# Altium PCB MB1272C.PcbDoc (part 2 of 10)
Units mm, origin at the board's own origin, x right, y up, seen from the top; angles counter-clockwise.
Board outline 101 x 71 mm, 6 copper layers (Top Layer, Signal Layer 1, Signal Layer 2, Signal Layer 3, Signal Layer 4, Bottom Layer), stack 1.552 mm thick; 520 components, 478 nets, 2156 pads, 1894 vias.
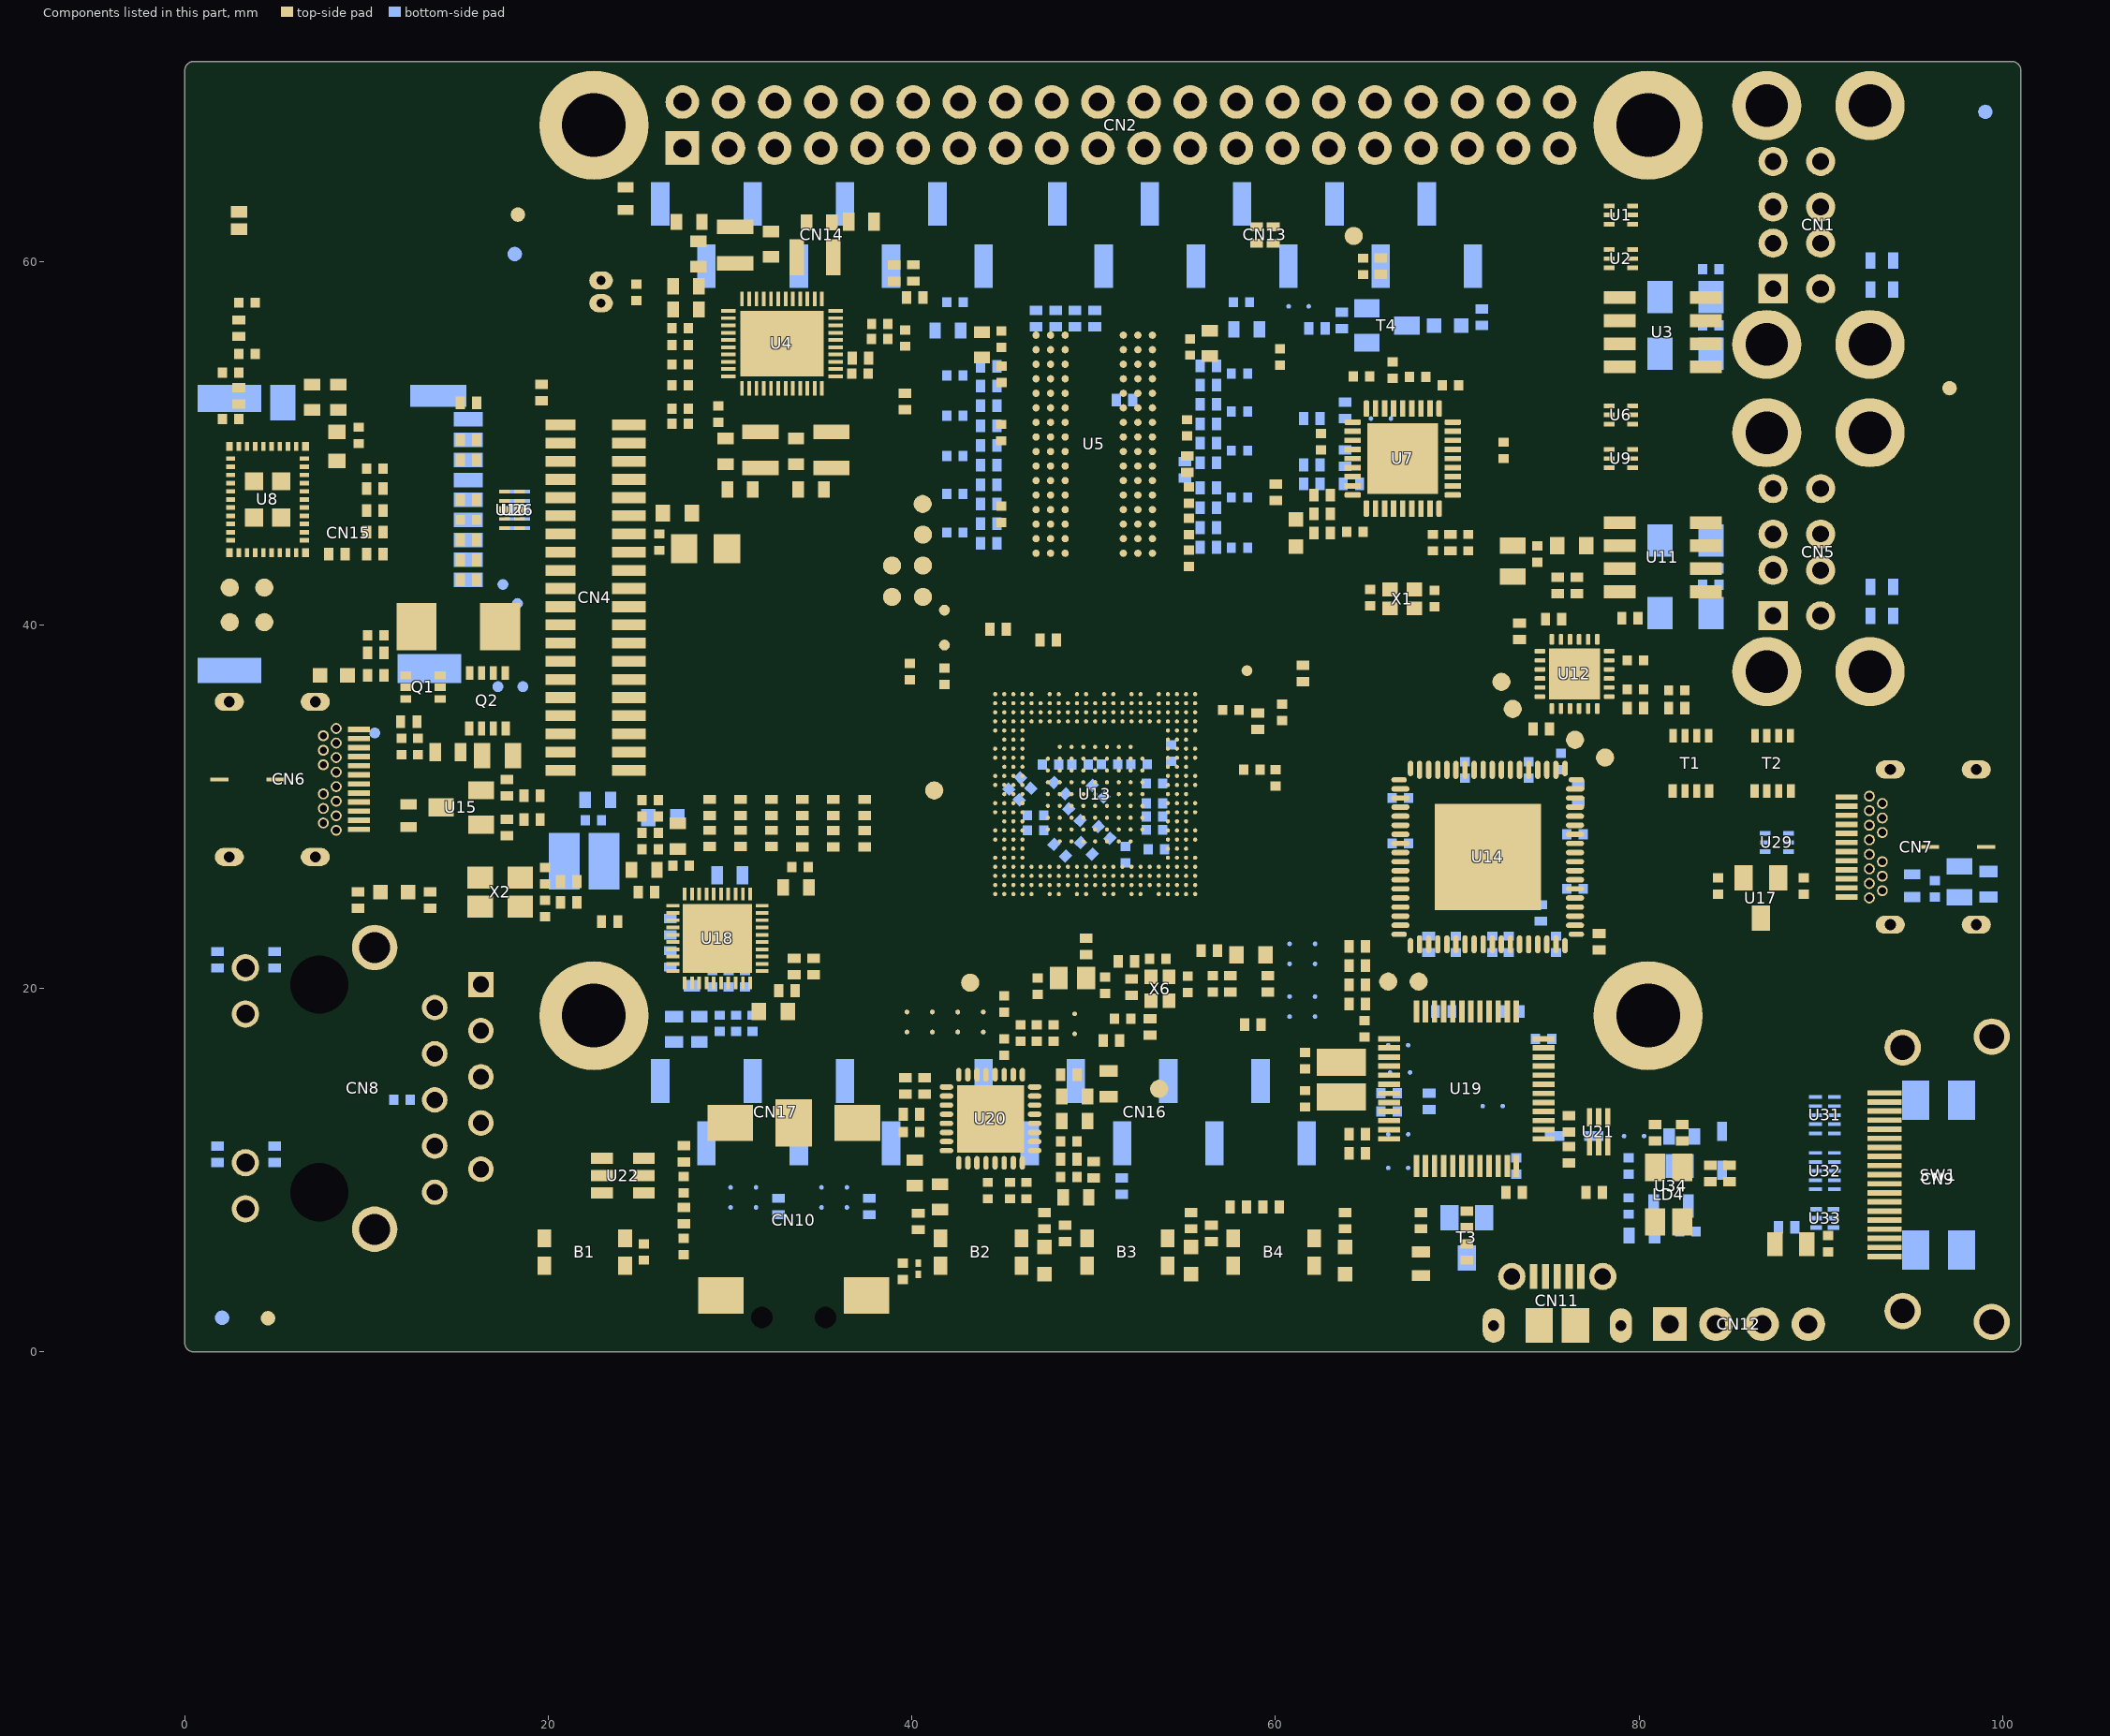
[diagram p6: the components of this part, seen from the top]

## Components (designator, comment, footprint, x,y, rotation, side; value= is the part's Value field where it differs from the comment) (continued)
TP20 "Test Point" TP_SMD_1MM 66.2,20.375 r90 top
TP21 "Test Point" TP_SMD_1MM 67.875,20.375 r90 top
TP22 "Test Point" TP_SMD_1MM 43.205,20.315 r270 top
TP23 "Test Point" TP_SMD_1MM 53.6,14.475 r90 top
TP24 "Test Point" TP_SMD_0-6MM 17.5,42.225 r0 bottom
TP25 "Test Point" TP_SMD_0-6MM 18.3,41.175 r0 bottom
TP26 "Test Point" TP_SMD_0-6MM 17.3,39.525 r90 bottom
TP27 "Test Point" TP_SMD_0-6MM 18.6,36.6 r0 bottom
TP28 "Test Point" TP_SMD_0-6MM 17.225,36.6 r0 bottom
TP29 "Test Point" TP_SMD_0-6MM 10.45,34.05 r0 bottom
U1 "​" ESD_QFN-6L_1P7X1P5_P050 79,62.55 r270 top value=ECMF02-2AMX6
U2 "​" ESD_QFN-6L_1P7X1P5_P050 79,60.15 r270 top value=ECMF02-2AMX6
U3 "STMPS2252MTR" ICC_SO8_5X4_P127 81.3,56.1 r270 top
U4 "STPMU1A" ICC_WFQFN44-EPAD_5X6_P040 32.85,55.475 r270 top
U5 "MT41K256M16TW-107:P - V00H" ICC_FBGA96_8X14_P080 50.03,49.94 r0 top locked value=MT41K256M16TW-107-P-V00H
U6 "​" ESD_QFN-6L_1P7X1P5_P050 79,51.55 r270 top value=ECMF02-2AMX6
U7 "USB2514B-AEZC" ICC_QFN36-EPAD_6X6_P050 67,49.15 r90 top
U8 "LBEE5KL1DX-883" MOD_WLAN-BT_MURATA_LBEE5KL1DX-883 4.55,46.9 r270 top locked
U9 "​" ESD_QFN-6L_1P7X1P5_P050 79,49.15 r270 top value=ECMF02-2AMX6
U10 "HSP051-4M10" ESD_UQFN-10L_2P5X1_P050 18,46.325 r90 top
U11 "STMPS2252MTR" ICC_SO8_5X4_P127 81.3,43.725 r270 top
U12 "​Symbol correction needed ?" ICC_QFN24-EPAD_4X4_P050 76.45,37.3 r270 top value=STUSB1600
U13 "STM32MP157CAC3" ICC_TFBGA361_12X12_STM32MP157CAC3_P050-065 50.08,30.69 r90 top locked
U14 "" ICC_QFN72-EPAD_10X10_P050 71.675,27.225 r270 top locked value=SiI9022ACNU
U15 "New schematic symbol : correction 2 diodes instead of one" ESD_SOT23 15.2,29.95 r90 top value=ESDA25L
U16 "​Footprint needed DFN105P160X60-2N" ESD_QFN1610_2N_1K_2A 12.3,29.5 r270 top value=ESDA7P120-1U1M
U17 "New schematic symbol : correction 2 diodes instead of one" ESD_SOT23 86.7,24.975 r180 top value=ESDA25L
U18 "RTL8211F-CG" ICC_QFN40-EPAD_5X5_P040 29.3,22.75 r90 top locked
U19 "" ICC_LQFP48_7X7_P050 70.5,14.475 r270 top locked value=STM32F103CBT6
U20 "" ICC_QFN32-EPAD_5X5_P050 44.325,12.825 r270 top value=CS42L51-CNZ
U21 "" ESD_SOT666 77.775,12.1 r0 top value=USBLC6-2P6
U22 "" ESD_SOT23-6L 24.1,9.7 r90 top value=ESDA6V1BC6
U23 "​Footprint needed DFN105P160X60-2N" ESD_QFN1610_2N_1K_2A 24.25,63.45 r270 top value=ESDA7P120-1U1M
U24 "​Footprint needed DFN105P160X60-2N" ESD_QFN1610_2N_1K_2A 93.35,60.05 r0 bottom value=ESDA7P120-1U1M
U25 "​Footprint needed DFN105P160X60-2N" ESD_QFN1610_2N_1K_2A 93.35,58.45 r0 bottom value=ESDA7P120-1U1M
U26 "HSP051-4M10" ESD_UQFN-10L_2P5X1_P050 18.3,46.325 r90 bottom
U27 "​Footprint needed DFN105P160X60-2N" ESD_QFN1610_2N_1K_2A 93.35,42.1 r0 bottom value=ESDA7P120-1U1M
U28 "​Footprint needed DFN105P160X60-2N" ESD_QFN1610_2N_1K_2A 93.35,40.5 r0 bottom value=ESDA7P120-1U1M
U29 "​" ESD_QFN-6L_1P7X1P5_P050 87.575,28.025 r90 bottom value=ECMF02-2AMX6
U30 "​Footprint needed DFN105P160X60-2N" ESD_QFN1610_2N_1K_2A 95.025,25.65 r90 bottom value=ESDA7P120-1U1M
U31 "" ESD_UQFN-10L_2P60X1P35_P050 90.225,13.025 r270 bottom value=ECMF04-4HSWM10
U32 "" ESD_UQFN-10L_2P60X1P35_P050 90.225,9.95 r270 bottom value=ECMF04-4HSWM10
U33 "ESDALC6V1-5M6" ESD_UQFN-6L_1P45X1_P050 90.225,7.35 r270 bottom
U34 "" REG_SOT23-5L 81.75,9.125 r0 bottom value=LD3985M33R
U35 "ESD-TRANSIL" ESD_ST0201 40.35,4.575 r270 top value=ESDALC6V1-1U2
X1 "XTAL_4_PINS" CRY_NX2016SA_4P 66.975,41.425 r180 top value="NX2016SA 24MHz"
X2 "XTAL_4_PINS" CRY_NX3225HA_4P 17.35,25.3 r180 top value="NX3225GA 25MHz"
X4 "XTAL_2_PINS" CRY_NX2012SA_2P 48.825,20.575 r180 top value="NX2012SA 32.768KHz"
X5 "" CRY_NX3225GD_2P 63.625,14.975 r90 top value="NX3225GD 8MHz"
X6 "OSCILLATOR_4_PINS" CRY_NZ2016SH_4P 53.65,19.975 r90 top value="NZ2016SH 24MHz"

## Footprints (in the part's own frame and the unit in brackets; to place one, negate y for a bottom-side part, rotate by r counter-clockwise, add the part's x,y. Pads: shape width x height; smd on the part's side, far side on the other; paste and mask are expansions set on the pad)
C0402 [mm]
  rect 0.51x0.56 smd mask+0.05: 1(-0.45,0) 2(0.45,0)
  silkscreen extent 0,-0.3 0,0.3, body extent -0.5,-0.3 0.5,0.3, height 0.4
C0603 [mm]
  rect 0.64x0.89 smd mask+0.05: 1(-0.7,0) 2(0.7,0)
  silkscreen extent -1.05,-0.55 1.02,0.55, body extent -0.9,-0.5 0.9,0.5, height 1.4
C0805 [mm]
  rect 0.9x1.4 smd mask+0.05: 1(-0.85,0) 2(0.85,0)
  silkscreen extent -1.3,-0.77 1.3,0.77, body extent -1.1,-0.7 1.1,0.7, height 1.35
C1206_H1P6 [mm]
  rect 1.4x1.78 smd mask+0.05: 1(-1.4,0) 2(1.4,0)
  silkscreen extent -2.12,-0.97 2.15,0.97, body extent -1.7,-0.9 1.7,0.9, height 1.8
CON_DUAL-USB-TYPE-A_CONEXCON_5600-3081 [mm]
  round 1.6 hole 0.92: B1(-3.5,13.01) B2(-1,13.01) B3(1,13.01) B4(3.5,13.01) T2(-1,15.63) T3(1,15.63) T4(3.5,15.63)
  round 3.8 hole 2.33: CH1(6.57,10.3) CH2(-6.57,10.3) CH3(-6.57,15.98) CH4(6.57,15.98)
  rect 1.6x1.6 hole 0.92: T1(-3.5,15.63)
  silkscreen extent -7.3,-0.4 7.3,17.85, body extent -7.83,-0.6 7.87,17.85, height 16.2
CON_HDMI_FCI-AMPHENOL_10029449-001RLF [mm]
  rect 0.3x1.9 smd mask+0.05: 1(4.75,8.5) 2(4.25,8.5) 3(3.75,8.5) 4(3.25,8.5) 5(2.75,8.5) 6(2.25,8.5) 7(1.75,8.5) 8(1.25,8.5) 9(0.75,8.5) 10(0.25,8.5) 11(-0.25,8.5) 12(-0.75,8.5) 13(-1.25,8.5) 14(-1.75,8.5) 15(-2.25,8.5) 16(-2.75,8.5) 17(-3.25,8.5) 18(-3.75,8.5) 19(-4.25,8.5)
  round 2 hole 1.35 mask+0.1: 20(7.25,7.5) 21(-7.25,7.5) 22(7.85,2.6) 23(-7.85,2.6)
  silkscreen extent -7.5,-1 7.5,8, body extent -8.1,-1 8.1,8.9, height 6.3
CON_JACK-3P5-SMT_LUMBERG_1503-13-VP3 [mm]
  rect 2.6x2 smd mask+0.05: 1(15.2,0)
  rect 2x2.5 smd mask+0.05: 2(15.2,3.5) 3(15.2,-3.5) 4(5.7,-4) 4(5.7,4)
  round 0.5 hole 1.2 unplated mask+0.1: NPTH1(4.5,-1.75) NPTH2(4.5,1.75)
  silkscreen extent 0,-3.55 14.6,3.55, body extent 0,-4.55 15.8,4.55, height 6.1
CON_MICROSD_YAMAICHI_PJS008-2003-0 [mm] "WITHOUT POSITIONNING PINS"
  rect 1.6x0.8 smd paste+0 mask+0.05: 1(-15.6,-2.525) 2(-15.6,-1.425) 3(-15.6,-0.325) 4(-15.6,0.775) 5(-15.6,1.875) 6(-15.6,2.975) 7(-15.6,4.075) 8(-15.6,5.175) 9(-15.6,6.325)
  rect 1.4x1.95 smd paste+0 mask+0.05: 10(-5.4,7.225)
  rect 3.5x1.5 smd paste+0 mask+0.05: 11(-2.45,7.45)
  rect 3.5x1.4 smd paste+0 mask+0.05: 12(-2.45,-7.5)
  rect 3.5x1.6 smd paste+0 mask+0.05: 13(-13.45,-7.4)
  rect 3.1x1.2 smd paste+0 mask+0.05: 14(-13.95,7.6)
  silkscreen extent -15.32,-7.25 5.65,7.25, body extent -15.25,-7.25 -0.45,7.42, height 2
CON_MOLEX_53047-0210 [mm]
  oval 1x1.3 hole 0.5 mask+0.05: 1(-0.625,0) 2(0.625,0)
  silkscreen extent -2.12,-1.15 2.13,2.05, body extent -2.13,-1.15 2.13,2.05, height 4.2
CON_RJ45_YD_48F-01GYDXNL_LED-P [mm]
  rect 1.4x1.4 hole 0.9 mask+0.05: 1(-5.715,16.29)
  round 1.4 hole 0.9 mask+0.05: 2(-4.445,13.75) 3(-3.175,16.29) 4(-1.905,13.75) 5(-0.635,16.29) 6(0.635,13.75) 7(1.905,16.29) 8(3.175,13.75) 9(4.445,16.29) 10(5.715,13.75)
  round 1.5 hole 1 mask+0.05: 11(-6.63,3.34) 12(-4.09,3.34) 13(4.09,3.34) 14(6.63,3.34)
  round 2.5 hole 1.7 mask+0.05: 15(7.75,10.45) 16(-7.75,10.45)
  round 1 hole 3.2 unplated mask+0.1: 17(-5.715,7.4) 18(5.715,7.4)
  Multi-Layer keep-out circle w0.01: c5.715,7.4 r1.9
  Multi-Layer keep-out circle w0.01: c-5.715,7.4 r1.9
  silkscreen extent -11.26,-3.5 11.26,18.34, body extent -11.4,-3.5 11.39,18.34, height 17
CON_SAMTEC_SSW-106-22-X-S-VS [mil]
  rect 40x95 smd mask+1.97: 1(250,67.5) 2(150,-67.5) 3(50,67.5) 4(-50,-67.5) 5(-150,67.5) 6(-250,-67.5)
  silkscreen extent -310,-48 310,48, body extent -310,-101 310,102, height 385
CON_SAMTEC_SSW-108-22-X-S-VS [mil]
  rect 40x95 smd mask+1.97: 1(350,67.5) 2(250,-67.5) 3(150,67.5) 4(50,-67.5) 5(-50,67.5) 6(-150,-67.5) 7(-250,67.48) 8(-350,-67.48)
  silkscreen extent -410,-48 410,48, body extent -410,-101 410,102, height 385
CON_SAMTEC_SSW-110-22-X-S-VS [mil]
  rect 40x95 smd mask+1.97: 1(450,67.5) 2(350,-67.5) 3(250,67.5) 4(150,-67.5) 5(50,67.5) 6(-50,-67.5) 7(-150,67.48) 8(-250,-67.48) 9(-350,67.48) 10(-450,-67.48)
  silkscreen extent -510,-48 510,48, body extent -510,-101 510,102, height 385
CON_SAMTEC_TSW-104-07-G-S [mm]
  rect 1.85x1.85 / inner round 1.85 / far side rect 1.85x1.85 hole 1 mask+0.05: 1(-3.81,0)
  round 1.85 hole 1 mask+0.05: 2(-1.27,0) 3(1.27,0) 4(3.81,0)
  silkscreen extent -5.12,-1.3 5.12,1.3, body extent -5.21,-1.37 5.18,1.37, height 8.38
CON_SAMTEC_TSW-120-07-G-D [mm]
  rect 1.85x1.85 / inner round 1.85 / far side rect 1.85x1.85 hole 1 mask+0.05: 1(-24.13,-1.27)
  round 1.85 hole 1 mask+0.05: 2(-24.13,1.27) 3(-21.59,-1.27) 4(-21.59,1.27) 5(-19.05,-1.27) 6(-19.05,1.27) 7(-16.51,-1.27) 8(-16.51,1.27) 9(-13.97,-1.27) 10(-13.97,1.27) 11(-11.43,-1.27) 12(-11.43,1.27) 13(-8.89,-1.27) 14(-8.89,1.27) 15(-6.35,-1.27) 16(-6.35,1.27) 17(-3.81,-1.27) 18(-3.81,1.27) 19(-1.27,-1.27) 20(-1.27,1.27) 21(1.27,-1.27) 22(1.27,1.27) 23(3.81,-1.27) 24(3.81,1.27) 25(6.35,-1.27) 26(6.35,1.27) 27(8.89,-1.27) 28(8.89,1.27) 29(11.43,-1.27) 30(11.43,1.27) 31(13.97,-1.27) 32(13.97,1.27) 33(16.51,-1.27) 34(16.51,1.27) 35(19.05,-1.27) 36(19.05,1.27) 37(21.59,-1.27) 38(21.59,1.27) 39(24.13,-1.27) 40(24.13,1.27)
  silkscreen extent -25.4,-2.54 25.4,2.54, body extent -25.4,-2.55 25.4,2.54, height 8.38
CON_TE-CONNECTIVITY_2-1734248-0 [mm]
  rect 0.6x1.65 smd mask+0.05: 1(9.5,-1.825) 2(8.5,-1.825) 3(7.5,-1.825) 4(6.5,-1.825) 5(5.5,-1.825) 6(4.5,-1.825) 7(3.5,-1.825) 8(2.5,-1.825) 9(1.5,-1.825) 10(0.5,-1.825) 11(-0.5,-1.825) 12(-1.5,-1.825) 13(-2.5,-1.825) 14(-3.5,-1.825) 15(-4.5,-1.825) 16(-5.5,-1.825) 17(-6.5,-1.825) 18(-7.5,-1.825) 19(-8.5,-1.825) 20(-9.5,-1.825)
  rect 0.6x1.85 smd mask+0.05: 1(9.5,1.925) 2(8.5,1.925) 3(7.5,1.925) 4(6.5,1.925) 5(5.5,1.925) 6(4.5,1.925) 7(3.5,1.925) 8(2.5,1.925) 9(1.5,1.925) 10(0.5,1.925) 11(-0.5,1.925) 12(-1.5,1.925) 13(-2.5,1.925) 14(-3.5,1.925) 15(-4.5,1.925) 16(-5.5,1.925) 17(-6.5,1.925) 18(-7.5,1.925) 19(-8.5,1.925) 20(-9.5,1.925)
  silkscreen extent -13.7,-2.8 13.7,1.9, body extent -13.7,-2.65 13.7,2.4, height 7.7
CON_USB-TYPEC_COXOC_317JD24BZTF3K3C3 [mm]
  rect 0.2x1 smd paste-10 mask+0: 0(0,6) 0(0,2.9)
  rect 0.3x1.2 smd mask+0.05: A1(-2.75,10.58) A2(-2.25,10.58) A3(-1.75,10.58) A4(-1.25,10.58) A5(-0.75,10.58) A6(-0.25,10.58) A7(0.25,10.58) A8(0.75,10.58) A9(1.25,10.58) A10(1.75,10.58) A11(2.25,10.58) A12(2.75,10.58)
  round 0.6 hole 0.4 mask+0.05: B1(2,9.33) B1(2.8,9.33) B2(2.4,8.62) B3(1.6,8.62) B4(1.2,9.33) B5(0.8,8.62) B6(0.4,9.33) B7(-0.4,9.33) B8(-0.8,8.62) B9(-1.2,9.33) B10(-1.6,8.62) B11(-2.4,8.62) B12(-2.8,9.33) B12(-2,9.33)
  oval 1x1.6 hole 0.6 slot 1.2 at 90 deg mask+0.05: SH1(-4.27,8.18) SH2(-4.27,3.45) SH3(4.27,8.18) SH4(4.27,3.45)
  silkscreen extent -4.38,-0.95 4.38,10.38, body extent -4.38,-0.95 4.38,10.84, height 3.03
CON_USBMICROB_MOLEX_105017-0001_H2P90 [mm]
  rect 0.4x1.35 smd mask+0.05: 1(-1.3,4.15) 2(-0.65,4.15) 3(0,4.15) 4(0.65,4.15) 5(1.3,4.15)
  round 1.5 hole 0.9 mask+0.05: 6(-2.5,4.15) 7(2.5,4.15)
  oval 1.2x1.9 hole 0.6 slot 1.3 at 90 deg mask+0.05: 8(3.5,1.45) 9(-3.5,1.45)
  rect 1.5x1.9 smd mask+0.05: 10(-1,1.45) 11(1,1.45)
  Top Layer region: -3.5,2.4 -2.3,2.4 -2.3,0.5 -3.5,0.5 -3.5,2.4
  Top Layer region: 2.3,2.4 3.5,2.4 3.5,0.5 2.3,0.5 2.3,2.4
  silkscreen extent -4,-0.7 4,4.6, body extent -4.1,-1.15 4.1,4.66, height 2.9
CPOL_TAJ-A_1206_H180 [mm]
  rect 1.45x1.6 smd mask+0.05: 1(-1.175,0) 2(1.175,0)
  silkscreen extent -2.15,-1.05 1.7,1.05, body extent -1.7,-0.9 1.7,0.9, height 1.8
CPOL_TAJ-C_2312_H2P6 [mm]
  rect 2.2x2.6 smd mask+0.05: 1(-2.3,0) 2(2.3,0)
  silkscreen extent -3.6,-1.85 3.1,1.85, body extent -3.1,-1.7 3.1,1.7, height 2.8
CRY_NX2012SA_2P [mm]
  rect 1x1.25 smd mask+0.05: 1(-0.75,0) 2(0.75,0)
  silkscreen extent -1.05,-0.75 1.05,0.75, body extent -1.05,-0.63 1.05,0.63, height 0.6
CRY_NX2016SA_4P [mm]
  rect 0.85x0.75 smd mask+0.05: 1(-0.675,-0.525) 2(0.675,-0.525) 3(0.675,0.525) 4(-0.675,0.525)
  silkscreen extent -1.22,-1.02 1.05,0.85, body extent -1.05,-0.85 1.05,0.85, height 0.7
CRY_NX3225GD_2P [mm]
  rect 1.5x2.7 smd mask+0.05: 1(-0.95,0) 2(0.95,0)
  silkscreen extent -0.1,-1.3 0.1,1.3, body extent -1.65,-1.3 1.65,1.3, height 1
CRY_NX3225HA_4P [mm]
  rect 1.4x1.2 smd mask+0.05: 1(-1.1,-0.8) 2(1.1,-0.8) 3(1.1,0.8) 4(-1.1,0.8)
  silkscreen extent -1.9,-1.5 1.65,1.3, body extent -1.66,-1.31 1.66,1.31, height 0.91
CRY_NZ2016SH_4P [mm] "MCD-01627"
  rect 0.8x0.7 smd mask+0.05: 1(-0.65,-0.5) 2(0.65,-0.5) 3(0.65,0.5) 4(-0.65,0.5)
  silkscreen extent -1.17,-0.97 1.05,0.85, body extent -1.05,-0.85 1.05,0.85, height 0.71
DIO_SOD323 [mm]
  rect 1.06x0.54 smd mask+0.05: 1(-1.07,0) 2(1.07,0)
  silkscreen extent -0.9,-0.72 0.9,0.72, body extent -1.3,-0.78 1.3,0.78, height 1.17
DIO_SOT363 [mm]
  rect 0.42x0.6 smd mask+0.05: 1(-0.65,-0.95) 2(0,-0.95) 3(0.65,-0.95) 4(0.65,0.95) 5(0,0.95) 6(-0.65,0.95)
  silkscreen extent -1.1,-0.67 1.1,0.67, body extent -1.1,-1.2 1.1,1.2, height 1.1
ESD_QFN1610_2N_1K_2A [mm] "DFN, 2-Leads, Body 1.60x1.00mm"
  rect 0.55x0.9 smd mask+0.05: 1(-0.625,0) 2(0.625,0)
  silkscreen extent -1.02,-0.58 0.85,0.58, body extent -0.85,-0.55 0.85,0.55, height 0.6
ESD_QFN-6L_1P7X1P5_P050 [mm]
  rect 0.25x0.6 smd mask+0.05: 1(-0.5,-0.65) 2(0,-0.65) 3(0.5,-0.65) 4(0.5,0.65) 5(0,0.65) 6(-0.5,0.65)
  silkscreen extent -0.9,-0.8 0.9,0.8, body extent -0.9,-0.8 0.9,0.8, height 0.56
ESD_SOT23 [mm]
  rect 1x1.4 smd mask+0.05: 1(-0.95,-1.1) 2(0.95,-1.1) 3(0,1.1)
  silkscreen extent -1.63,-0.82 1.63,0.82, body extent -1.56,-1.5 1.56,1.5, height 1.4
ESD_SOT23-6L [mm]
  rect 0.6x1.2 smd mask+0.05: 1(-0.95,-1.15) 2(0,-1.15) 3(0.95,-1.15) 4(0.95,1.15) 5(0,1.15) 6(-0.95,1.15)
  silkscreen extent -1.53,-0.87 1.53,0.87, body extent -1.52,-1.5 1.52,1.5, height 1.45
ESD_SOT666 [mm]
  rect 0.3x0.99 smd mask+0.05: 1(-0.5,-0.805) 2(0,-0.805) 3(0.5,-0.805) 4(0.5,0.805) 5(0,0.805) 6(-0.5,0.805)
  silkscreen extent -0.85,-0.65 0.85,0.65, body extent -0.85,-0.8 0.85,0.8, height 0.6
ESD_ST0201 [mm]
  rect 0.425x0.33 smd mask+0.05: 1(-0.312,0) 2(0.312,0)
  silkscreen extent -0.55,-0.3 0.33,0.3, body extent -0.34,-0.18 0.34,0.18, height 0.34
ESD_UQFN-6L_1P45X1_P050 [mm]
  rect 0.25x0.65 smd mask+0.05: 1(-0.5,-0.475) 2(0,-0.475) 3(0.5,-0.475) 4(0.5,0.475) 5(0,0.475) 6(-0.5,0.475)
  silkscreen extent -0.9,-0.87 0.77,0.55, body extent -0.77,-0.55 0.77,0.55, height 0.66
ESD_UQFN-10L_2P5X1_P050 [mm]
  rect 0.2x0.58 smd mask+0.05: 1(-1,-0.41) 2(-0.5,-0.41) 4(0.5,-0.41) 5(1,-0.41) 6(1,0.41) 7(0.5,0.41) 9(-0.5,0.41) 10(-1,0.41)
  rect 0.4x0.58 smd mask+0.05: 3(0,-0.41) 8(0,0.41)
  silkscreen extent -1.38,-0.63 1.38,0.63, body extent -1.3,-0.55 1.3,0.55, height 0.51
ESD_UQFN-10L_2P60X1P35_P050 [mm]
  rect 0.2x0.7 smd mask+0.05: 1(-1,-0.525) 2(-0.5,-0.525) 3(0,-0.525) 4(0.5,-0.525) 5(1,-0.525) 6(1,0.525) 7(0.5,0.525) 8(0,0.525) 9(-0.5,0.525) 10(-1,0.525)
  silkscreen extent -1.45,-0.95 1.33,0.7, body extent -1.33,-0.7 1.33,0.7, height 0.56
FIL_0603_H0P65 [mm]
  rect 0.8x0.95 smd mask+0.05: 1(-0.8,0) 2(0.8,0)
  silkscreen extent -1.33,-0.6 1.33,0.6, body extent -0.87,-0.47 0.87,0.47, height 0.65
ICC_FBGA96_8X14_P080 [mm]
  round 0.4 smd mask+0.05: A1(-3.2,6) A2(-2.4,6) A3(-1.6,6) A7(1.6,6) A8(2.4,6) A9(3.2,6) B1(-3.2,5.2) B2(-2.4,5.2) B3(-1.6,5.2) B7(1.6,5.2) B8(2.4,5.2) B9(3.2,5.2) C1(-3.2,4.4) C2(-2.4,4.4) C3(-1.6,4.4) C7(1.6,4.4) C8(2.4,4.4) C9(3.2,4.4) D1(-3.2,3.6) D2(-2.4,3.6) D3(-1.6,3.6) D7(1.6,3.6) D8(2.4,3.6) D9(3.2,3.6) E1(-3.2,2.8) E2(-2.4,2.8) E3(-1.6,2.8) E7(1.6,2.8) E8(2.4,2.8) E9(3.2,2.8) F1(-3.2,2) F2(-2.4,2) F3(-1.6,2) F7(1.6,2) F8(2.4,2) F9(3.2,2) G1(-3.2,1.2) G2(-2.4,1.2) G3(-1.6,1.2) G7(1.6,1.2) G8(2.4,1.2) G9(3.2,1.2) H1(-3.2,0.4) H2(-2.4,0.4) H3(-1.6,0.4) H7(1.6,0.4) H8(2.4,0.4) H9(3.2,0.4) J1(-3.2,-0.4) J2(-2.4,-0.4) J3(-1.6,-0.4) J7(1.6,-0.4) J8(2.4,-0.4) J9(3.2,-0.4) K1(-3.2,-1.2) K2(-2.4,-1.2) K3(-1.6,-1.2) K7(1.6,-1.2) K8(2.4,-1.2) K9(3.2,-1.2) L1(-3.2,-2) L2(-2.4,-2) L3(-1.6,-2) L7(1.6,-2) L8(2.4,-2) L9(3.2,-2) M1(-3.2,-2.8) M2(-2.4,-2.8) M3(-1.6,-2.8) M7(1.6,-2.8) M8(2.4,-2.8) M9(3.2,-2.8) N1(-3.2,-3.6) N2(-2.4,-3.6) N3(-1.6,-3.6) N7(1.6,-3.6) N8(2.4,-3.6) N9(3.2,-3.6) P1(-3.2,-4.4) P2(-2.4,-4.4) P3(-1.6,-4.4) P7(1.6,-4.4) P8(2.4,-4.4) P9(3.2,-4.4) R1(-3.2,-5.2) R2(-2.4,-5.2) R3(-1.6,-5.2) R7(1.6,-5.2) R8(2.4,-5.2) R9(3.2,-5.2) T1(-3.2,-6) T2(-2.4,-6) T3(-1.6,-6) T7(1.6,-6) T8(2.4,-6) T9(3.2,-6)
  silkscreen extent -4.2,-7.05 4.05,7.2, body extent -4.05,-7.05 4.05,7.05, height 1.2
ICC_LQFP48_7X7_P050 [mm]
  rect 0.3x1.2 smd mask+0.05: 1(-2.75,-4.25) 2(-2.25,-4.25) 3(-1.75,-4.25) 4(-1.25,-4.25) 5(-0.75,-4.25) 6(-0.25,-4.25) 7(0.25,-4.25) 8(0.75,-4.25) 9(1.25,-4.25) 10(1.75,-4.25) 11(2.25,-4.25) 12(2.75,-4.25) 25(2.75,4.25) 26(2.25,4.25) 27(1.75,4.25) 28(1.25,4.25) 29(0.75,4.25) 30(0.25,4.25) 31(-0.25,4.25) 32(-0.75,4.25) 33(-1.25,4.25) 34(-1.75,4.25) 35(-2.25,4.25) 36(-2.75,4.25)
  rect 1.2x0.3 smd mask+0.05: 13(4.25,-2.75) 14(4.25,-2.25) 15(4.25,-1.75) 16(4.25,-1.25) 17(4.25,-0.75) 18(4.25,-0.25) 19(4.25,0.25) 20(4.25,0.75) 21(4.25,1.25) 22(4.25,1.75) 23(4.25,2.25) 24(4.25,2.75) 37(-4.25,2.75) 38(-4.25,2.25) 39(-4.25,1.75) 40(-4.25,1.25) 41(-4.25,0.75) 42(-4.25,0.25) 43(-4.25,-0.25) 44(-4.25,-0.75) 45(-4.25,-1.25) 46(-4.25,-1.75) 47(-4.25,-2.25) 48(-4.25,-2.75)
  silkscreen extent -3.52,-3.52 3.52,3.52, body extent -4.5,-4.5 4.5,4.5, height 1.6
ICC_QFN24-EPAD_4X4_P050 [mm]
  rrect50% 0.6x0.25 smd mask+0.05: 1(-1.9,1.25) 2(-1.9,0.75) 3(-1.9,0.25) 4(-1.9,-0.25) 5(-1.9,-0.75) 6(-1.9,-1.25) 13(1.9,-1.25) 14(1.9,-0.75) 15(1.9,-0.25) 16(1.9,0.25) 17(1.9,0.75) 18(1.9,1.25)
  rrect50% 0.25x0.6 smd mask+0.05: 7(-1.25,-1.9) 8(-0.75,-1.9) 9(-0.25,-1.9) 10(0.25,-1.9) 11(0.75,-1.9) 12(1.25,-1.9) 19(1.25,1.9) 20(0.75,1.9) 21(0.25,1.9) 22(-0.25,1.9) 23(-0.75,1.9) 24(-1.25,1.9)
  rect 2.8x2.8 smd paste-10 mask+0.05: ep(0,0)
  silkscreen extent -2,-2 2,2, body extent -2.05,-2.05 2.05,2.05, height 1.1
ICC_QFN32-EPAD_5X5_P050 [mm]
  oval 0.3x0.75 smd mask+0.05: 1(-1.75,-2.425) 2(-1.25,-2.425) 3(-0.75,-2.425) 4(-0.25,-2.425) 5(0.25,-2.425) 6(0.75,-2.425) 7(1.25,-2.425) 8(1.75,-2.425) 17(1.75,2.425) 18(1.25,2.425) 19(0.75,2.425) 20(0.25,2.425) 21(-0.25,2.425) 22(-0.75,2.425) 23(-1.25,2.425) 24(-1.75,2.425)
  oval 0.75x0.3 smd mask+0.05: 9(2.425,-1.75) 10(2.425,-1.25) 11(2.425,-0.75) 12(2.425,-0.25) 13(2.425,0.25) 14(2.425,0.75) 15(2.425,1.25) 16(2.425,1.75) 25(-2.425,1.75) 26(-2.425,1.25) 27(-2.425,0.75) 28(-2.425,0.25) 29(-2.425,-0.25) 30(-2.425,-0.75) 31(-2.425,-1.25) 32(-2.425,-1.75)
  rect 3.7x3.7 smd mask+0.05: 33(0,0)
  silkscreen extent -2.63,-2.63 2.63,2.63, body extent -2.55,-2.55 2.55,2.55, height 1
ICC_QFN36-EPAD_6X6_P050 [mm]
  rrect50% 0.3x0.9 smd mask+0.05: 1(-2,-2.75) 9(2,-2.75) 19(2,2.75) 27(-2,2.75)
  rect 0.3x0.9 smd mask+0.05: 2(-1.5,-2.75) 3(-1,-2.75) 4(-0.5,-2.75) 5(0,-2.75) 6(0.5,-2.75) 7(1,-2.75) 8(1.5,-2.75) 20(1.5,2.75) 21(1,2.75) 22(0.5,2.75) 23(0,2.75) 24(-0.5,2.75) 25(-1,2.75) 26(-1.5,2.75)
  rrect50% 0.9x0.3 smd mask+0.05: 10(2.75,-2) 18(2.75,2) 28(-2.75,2) 36(-2.75,-2)
  rect 0.9x0.3 smd mask+0.05: 11(2.75,-1.5) 12(2.75,-1) 13(2.75,-0.5) 14(2.75,0) 15(2.75,0.5) 16(2.75,1) 17(2.75,1.5) 29(-2.75,1.5) 30(-2.75,1) 31(-2.75,0.5) 32(-2.75,0) 33(-2.75,-0.5) 34(-2.75,-1) 35(-2.75,-1.5)
  rect 3.9x3.9 smd mask+0.05: 37(0,0)
  silkscreen extent -3.15,-3.15 3.15,3.15, body extent -3.06,-3.06 3.06,3.06, height 1
ICC_QFN40-EPAD_5X5_P040 [mm]
  rect 0.7x0.2 smd mask+0.05: 1(-2.45,1.8) 2(-2.45,1.4) 3(-2.45,1) 4(-2.45,0.6) 5(-2.45,0.2) 6(-2.45,-0.2) 7(-2.45,-0.6) 8(-2.45,-1) 9(-2.45,-1.4) 10(-2.45,-1.8) 21(2.45,-1.8) 22(2.45,-1.4) 23(2.45,-1) 24(2.45,-0.6) 25(2.45,-0.2) 26(2.45,0.2) 27(2.45,0.6) 28(2.45,1) 29(2.45,1.4) 30(2.45,1.8)
  rect 0.2x0.7 smd mask+0.05: 11(-1.8,-2.45) 12(-1.4,-2.45) 13(-1,-2.45) 14(-0.6,-2.45) 15(-0.2,-2.45) 16(0.2,-2.45) 17(0.6,-2.45) 18(1,-2.45) 19(1.4,-2.45) 20(1.8,-2.45) 31(1.8,2.45) 32(1.4,2.45) 33(1,2.45) 34(0.6,2.45) 35(0.2,2.45) 36(-0.2,2.45) 37(-0.6,2.45) 38(-1,2.45) 39(-1.4,2.45) 40(-1.8,2.45)
  rect 3.8x3.8 smd mask+0.05: 41(0,0)
  silkscreen extent -2.5,-2.5 2.5,2.5, body extent -2.5,-2.5 2.5,2.5, height 0.91
ICC_QFN72-EPAD_10X10_P050 [mm]
  oval 0.85x0.3 smd mask+0.05: 1(-4.875,4.25) 18(-4.875,-4.25) 37(4.875,-4.25) 54(4.875,4.25)
  oval 1x0.3 smd mask+0.05: 2(-4.8,3.75) 3(-4.8,3.25) 4(-4.8,2.75) 5(-4.8,2.25) 6(-4.8,1.75) 7(-4.8,1.25) 8(-4.8,0.75) 9(-4.8,0.25) 10(-4.8,-0.25) 11(-4.8,-0.75) 12(-4.8,-1.25) 13(-4.8,-1.75) 14(-4.8,-2.25) 15(-4.8,-2.75) 16(-4.8,-3.25) 17(-4.8,-3.75) 38(4.8,-3.75) 39(4.8,-3.25) 40(4.8,-2.75) 41(4.8,-2.25) 42(4.8,-1.75) 43(4.8,-1.25) 44(4.8,-0.75) 45(4.8,-0.25) 46(4.8,0.25) 47(4.8,0.75) 48(4.8,1.25) 49(4.8,1.75) 50(4.8,2.25) 51(4.8,2.75) 52(4.8,3.25) 53(4.8,3.75)
  oval 0.3x0.85 smd mask+0.05: 19(-4.25,-4.875) 36(4.25,-4.875) 55(4.25,4.875) 72(-4.25,4.875)
  oval 0.3x1 smd mask+0.05: 20(-3.75,-4.8) 21(-3.25,-4.8) 22(-2.75,-4.8) 23(-2.25,-4.8) 24(-1.75,-4.8) 25(-1.25,-4.8) 26(-0.75,-4.8) 27(-0.25,-4.8) 28(0.25,-4.8) 29(0.75,-4.8) 30(1.25,-4.8) 31(1.75,-4.8) 32(2.25,-4.8) 33(2.75,-4.8) 34(3.25,-4.8) 35(3.75,-4.8) 56(3.75,4.8) 57(3.25,4.8) 58(2.75,4.8) 59(2.25,4.8) 60(1.75,4.8) 61(1.25,4.8) 62(0.75,4.8) 63(0.25,4.8) 64(-0.25,4.8) 65(-0.75,4.8) 66(-1.25,4.8) 67(-1.75,4.8) 68(-2.25,4.8) 69(-2.75,4.8) 70(-3.25,4.8) 71(-3.75,4.8)